# Altium PCB minnnnnnnn.PcbDoc (continued)
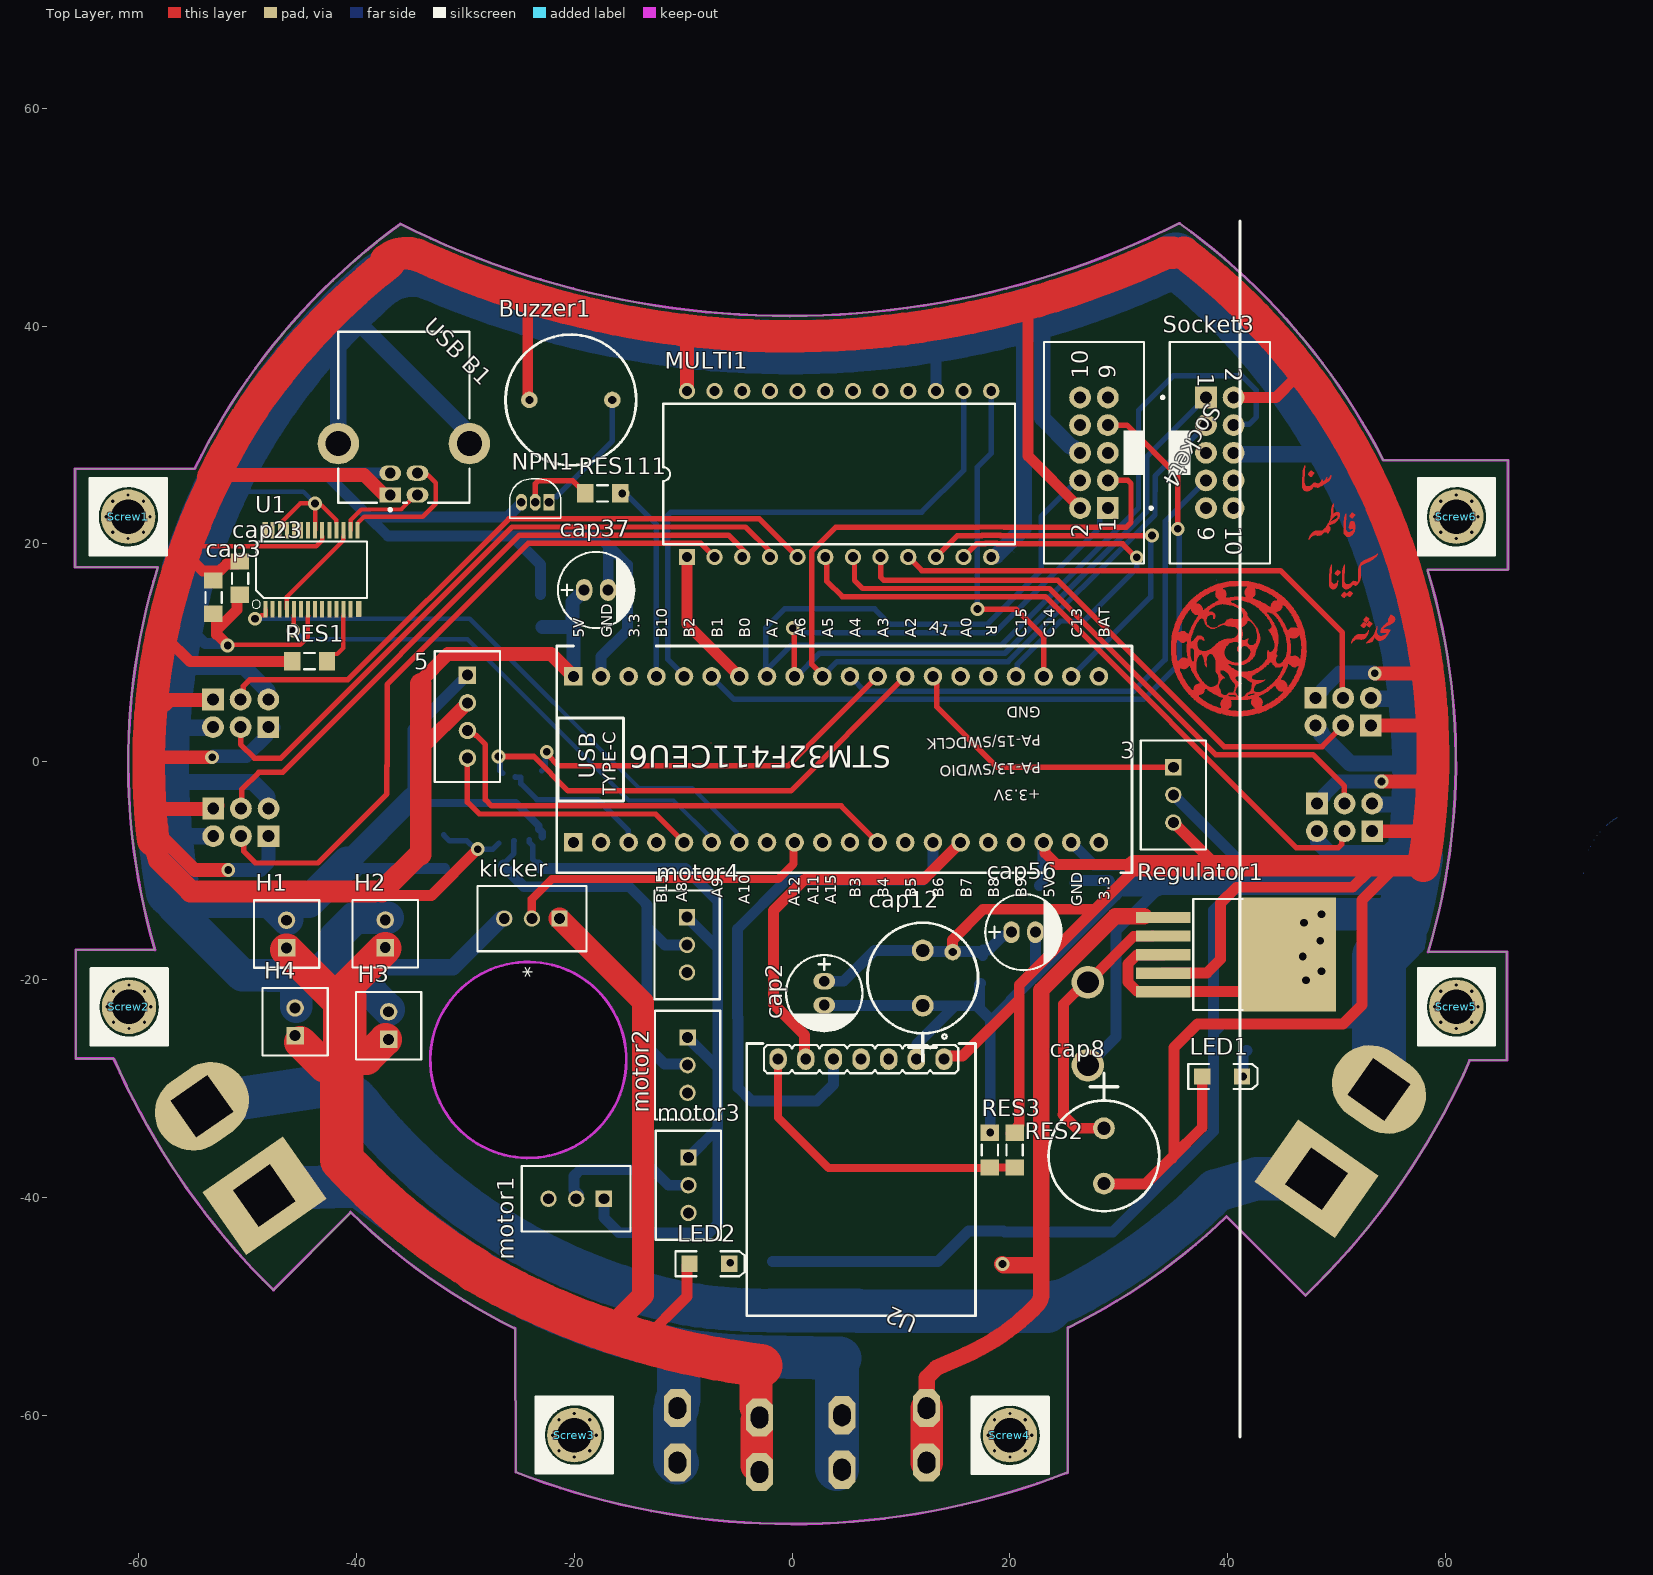
[diagram p0: Top Layer view]
## Footprints (in the part's own frame and the unit in brackets; to place one, negate y for a bottom-side part, rotate by r counter-clockwise, add the part's x,y. Pads: shape width x height; smd on the part's side, far side on the other; paste and mask are expansions set on the pad) (continued)
Screw [mm]
  round 0.6 hole 0.3: S(-2,0) S(-1.414,-1.414) S(-1.414,1.414) S(0,-2) S(0,2) S(1.414,-1.414) S(1.414,1.414) S(2,0)
  round 5 hole 3.15 mask+0.1: S(0,0)
  silkscreen extent -3.49,-3.53 3.56,3.52, body extent -2.8,-2.8 2.8,2.8, height 3.88
SOIC8 [mm]
  rect 1.524x0.7 smd: 1(-2.624,1.733) 2(-2.624,0.463) 3(-2.624,-0.807) 4(-2.624,-2.077) 5(2.856,-2.077) 6(2.856,-0.807) 7(2.856,0.463) 8(2.856,1.733)
  silkscreen extent -2.93,-2.71 3.16,2.37, body extent -2.88,-2.62 3.12,2.28, height 1.75
SSOP28-0.65-10.2X5.2MM [mm]
  rect 0.365x1.5 smd: 1(-4.225,-3.625) 2(-3.575,-3.625) 3(-2.925,-3.625) 4(-2.275,-3.625) 5(-1.625,-3.625) 6(-0.975,-3.625) 7(-0.325,-3.625) 8(0.325,-3.625) 9(0.975,-3.625) 10(1.625,-3.625) 11(2.275,-3.625) 12(2.925,-3.625) 13(3.575,-3.625) 15(4.225,3.625) 16(3.575,3.625) 17(2.925,3.625) 18(2.275,3.625) 19(1.625,3.625) 20(0.975,3.625) 21(0.325,3.625) 22(-0.325,3.625) 23(-0.975,3.625) 24(-1.625,3.625) 25(-2.275,3.625) 26(-2.925,3.625) 27(-3.575,3.625)
  rect 0.5x1.5 smd: 14(4.331,-3.614) 28(-4.269,3.625)
  silkscreen extent -5.46,-3.56 5.1,2.6, body extent -5.09,-3.93 5.11,3.87, height 2
TDAxis12 [mm] "Connector; Header; 7 Position"
  oval 1.6x2 hole 1 mask+0.1: 1(-7.62,-0.075) 2(-5.08,-0.075) 3(-2.54,-0.075) 4(0,-0.075) 5(2.54,-0.075) 6(5.08,-0.075) 7(7.62,-0.075)
  silkscreen extent -10.5,-2.35 10.5,23.5, body extent -10.5,-1.5 10.5,23.5, height 5.34
TO18 [mm]
  rect 1x1.55 hole 0.8: 1(1.27,0)
  oval 1x1.55 hole 0.8: 2(0,0) 3(-1.27,0)
  silkscreen extent -2.35,-1.47 2.35,2.15, body extent -2.35,-1.47 2.41,2.16, height 6.83
USB_B.1 [mm]
  rect 1.4x2 hole 1: 1(-2.355,1.25)
  oval 1.4x2 hole 1: 2(-2.355,-1.25) 3(-0.355,-1.25) 4(-0.355,1.25)
  round 3.8 hole 2.3: 5(2.355,6.02) 6(2.355,-6.02)
  silkscreen extent -3.83,-6.02 12.64,6.02, body extent -3.86,-7.45 12.64,7.45, height 10.95

## Part data
cap1 cap3 cap11 cap23 cap36 cap57 "cap 4": library part "Cap SMD"
cap2 cap37 cap56: library part "Cap 100uF"
cap8 cap12: library part "Cap 1000uF"
LED1 LED2: library part "LED SMD"
NPN1: library part NPN
RES1 RES2 RES3 RES5 RES8 RES9 RES111: library part "Res SMD"
Socket3 Socket4: library part "IDC 2x5"
U1: "USB Bridge, USB to UART USB 2.0 UART Interface 28-SSOP", Package="SSOP-28 FTDI", Check_prices=https://www.snapeda.com/parts/FT232RL/FTDI%252C+Future+Technology+Devices+International+Ltd/view-part/?ref=eda, MF="FTDI, Future", MP=FT232RL, SnapEDA_Link=https://www.snapeda.com/parts/FT232RL/FTDI%252C+Future+Technology+Devices+International+Ltd/view-part/?ref=snap
U2: "Module, 12 Axis IMU, I2C UART Output"
"USB B1": "USB B", LatestRevisionDate=17-Jul-2002, LatestRevisionNote="Re-released for DXP Platform.", Publisher="Altium Limited"
Screw1 Screw2 Screw3 Screw4 Screw5 Screw6: LatestRevisionDate=17-Jul-2002, LatestRevisionNote="Re-released for DXP Platform.", Publisher="Altium Limited"

## Free pads (board coordinates)
  oval 10x1.524 hole 18: 2(-24.181,-27.407)
  round 1.524 hole 0.762: 5(14.732,-17.475)

## Via types
v1: diameter 1.27, hole 0.711, Top Layer to Bottom Layer, 27 vias

## Nets (pads, with @x,y where several pads share a name; then routed paths per layer and width w, separated by ;. In a path a pad name is that pad's centre, name@x,y a point inside that pad or via, vN(x,y) a via of type N, cw(c..) or ccw(c..) an arc to the next point about the centre after c; other vN are vias at no path point)
"2 USB 16 FT": "USB B1.2" U1.16 | length 7.8
  Top Layer w0.4: U1.16 -40.542,21.273 -40.542,22.198 -39.582,23.158 -35.911,23.158 -34.711,24.359 -34.544,24.359
+5: 3.3 5.2 "cap 4.1" "USB B1.1" *.18 *.40 Buzzer1.1 cap1.2 cap2.1 cap3.1 cap8.2 cap12.2 cap23.1 cap36.2 cap37.1 cap56.1 cap57.2 evajedi.8 LED1.1 MULTI1.24 pad.5 Regulator1.4 RES1.2 RES2.2 S1.1 S1.6 S2.1 S2.6 S3.1 S3.6 S4.1 S4.6 Socket3.2 Socket4.2 U1.20 U2.1 | length 649.3
  Top Layer w0.4: -55.632,19.779 -43.712,19.779 -43.142,20.349 U1.20@-43.142,20.701
  Top Layer w1: -57.48,11.379 -55.296,9.195 RES1.2@-45.715,9.195 ; -54.94,18.313 -54.127,17.501 -52.585,17.501 -51.945,18.141 -50.974,18.141 cap23.1 ; -38.379,-12.268 -33.122,-12.268 v1(-28.88,-8.026) ; Buzzer1.1@-24.003,33.096 -24.003,33.238 -24.282,33.517 -24.282,41.351 -23.495,42.139 ; U2.1@13.97,-27.3 13.97,-27.275 14.222,-27.023 15.649,-27.023 20.803,-21.869 ; pad.5@14.681,-17.399 14.707,-17.374 14.707,-16.358 17.519,-13.546 27.806,-13.546 ; RES2.2@20.066,-34.136 20.853,-33.349 20.853,-20.498 27.806,-13.546 ; cap56.1@20.125,-15.949 cap56.1@20.125,-15.799 ; RES2.2@20.447,-34.312 RES2.2@20.447,-34.136 ; 21.641,41.91 21.641,28.092 Socket4.2@26.314,23.419 ; *.18 23.222,-7.54 23.222,-8.363 24.282,-9.423 31.003,-9.423 31.364,-9.062 ; cap8.2@28.829,-38.786 32.436,-38.786 34.836,-36.386 ; 31.801,-9.55 27.806,-13.546 ; Regulator1.4 38.076,-19.404 39.345,-18.135 39.345,-12.969 40.787,-11.526 51.466,-11.526 52.908,-10.084 ; 34.874,-36.424 34.874,-36.347 37.651,-33.57 LED1.1 ; 3.3 38.862,-9.449 ; 35.052,-36.17 35.052,-26.238 37.211,-24.079 50.597,-24.079 52.324,-22.352 52.324,-12.7 55.22,-9.804 ; Socket3.2 44.425,33.452 46.203,35.23
  Top Layer w1.27: -59.131,-4.343 -58.945,-4.343 -53.213,-4.343 S3.1 ; -58.369,0.406 v1(-53.264,0.406) ; -57.633,-7.163 -54.864,-9.931 v1(-51.791,-9.931) ; -57.531,5.258 -57.125,5.664 S4.6@-53.111,5.664 ; -52.828,26.335 -39.294,26.335 -37.524,24.565 -36.977,24.565 -36.912,24.5 ; S3.1@-52.819,-3.95 S3.1@-52.756,-4.013 ; -34.138,7.374 -31.631,9.881 -22.139,9.881 -20.307,8.049 *.40 ; -34.112,1.118 5.2 ; MULTI1.24 -9.661,39.513 ; S1.6 57.709,3.327 57.963,3.581 ; S2.1 57.506,-6.375 ; v1(53.493,8.116) 57.595,8.116 ; v1(54.122,-1.803) 57.734,-1.803
  Top Layer w2: -58.597,-7.446 -58.134,-9.024 -55.245,-11.913 -38.379,-11.913 ; -37.668,-11.913 -34.265,-8.509 -34.112,-8.509 -34.112,1.118 -34.112,7.163 ; 31.445,-9.55 56.998,-9.55
  Top Layer w3: -58.674,-7.184 cw(c0.025,-0.152) -58.892,-5.032 cw(c0.025,-0.152) -58.945,-4.343 cw(c0.025,-0.152) -59.001,3.15 cw(c0.025,-0.152) -58.346,9.222 cw(c0.025,-0.152) -55.632,19.779 cw(c0.025,-0.152) -52.828,26.335 ; -53.144,26.131 cw(c-0.076,0.076) -49.421,32.637 ; -49.401,32.666 cw(c0.657,-2.044) -37.077,45.775 ; -37.275,46.026 cw(c-35.39,43.691) -34.147,46.421 ccw(c-0.272,120.673) 34.268,46.728 34.928,46.728 ; 35.973,46.728 36.792,46.079 ; 36.955,45.95 cw(c0.993,0.624) 47.518,35.021 cw(c0.993,0.624) 57.95,-9.55
  Bottom Layer w0.5: -32.004,-6.706 -31.454,-7.255 -29.859,-7.255 -29.088,-8.026 v1(-28.88,-8.026) -27.483,-8.026 evajedi.8@-26.924,-7.468
  Bottom Layer w1: cap2.1 4.715,-20.152 7.544,-17.323 cap12.2 12.09,-17.424 cap1.2@17.196,-17.424 ; cap1.2 cap1.2@17.296,-17.55 ; cap1.2@17.501,-17.8 17.501,-17.346 17.546,-17.3 18.031,-17.3 19.339,-15.992 19.903,-15.992 20.134,-15.761 cap56.1 ; cap57.2@22.685,-11.375 cap57.2 23.011,-11.049 23.011,-7.57 *.18@23.19,-7.391
  Bottom Layer w1.27: v1@-53.162,0.508 -50.135,0.508 -48.276,2.367 -48.276,2.499 S4.1@-47.625,3.15 ; v1(-51.791,-9.931) -48.826,-9.931 -48.082,-9.187 S3.6 ; cap36.2 -20.395,12.369 ; -20.168,12.268 -20.168,14.664 -19.353,15.479 -19.215,15.479 -19.044,15.65 cap37.1@-19.044,16.109 ; *.40 -20.092,12.268 ; S1.1 48.708,6.518 48.708,6.65 50.262,8.204 v1@53.405,8.204 ; S2.6 48.835,-3.184 48.835,-3.053 50.084,-1.803 v1(54.122,-1.803)
+12: H1.1 H2.1 H3.1 H4.1 kicker.1 LED2.1 P18.1 | length 135.2
  Top Layer w1: -13.77,-53.216 -9.652,-49.098 -9.652,-46.33 LED2.1
  Top Layer w2: kicker.1 -13.691,-22.073 -13.691,-48.997 -16.535,-51.841
  Top Layer w3: H1.1@-46.431,-17.272 -41.58,-22.123 ; H4.1@-45.161,-25.756 -42.977,-27.94 ; -41.139,-20.895 H2.1@-37.363,-17.12 ; -40.589,-27.254 -39.091,-27.254 H3.1@-37.338,-25.502 ; P18.1@-3.327,-59.275 -3.327,-56.029 ; P18.1@-3.251,-64.643 -3.244,-64.636 P18.1@-3.244,-60.465
  Top Layer w4: -41.377,-27.48 -41.377,-36.536 ccw(c0.088,1.425) -29.052,-46.65 ; -41.097,-26.594 -41.097,-21.641 ; -29.096,-46.727 ccw(c5.664,14.033) -13.77,-53.216 ccw(c5.664,14.033) -2.867,-55.446
A: evajedi.6 motor1.1 motor2.1 motor3.1 motor4.1 RES5.2 | length 74.8
  Bottom Layer w0.5: evajedi.6@-24.155,-7.163 -24.155,-7.391 -23.818,-7.728 -23.818,-8.974 RES5.2
  Bottom Layer w1: RES5.2 -23.318,-9.554 -23.068,-9.804 -9.804,-9.804 -6.831,-12.778 -6.831,-16.866 ; motor1.1 -17.297,-41.859 -15.9,-43.256 -7.645,-43.256 -6.831,-42.442 -6.831,-33.653 ; motor4.1 -7.061,-16.866 -6.831,-16.866 ; motor2.1 -7.112,-27.813 -6.833,-27.813 ; motor3.1 -6.831,-33.653 ; -6.831,-33.653 -6.831,-27.813 -6.831,-16.866
A12S2: *.36 MULTI1.14 | length 51.4
  Bottom Layer w0.5: *.36@-10.312,7.849 -10.284,7.877 -10.284,8.267 -11.43,9.412 -11.43,22.618 -11.137,22.911 11.887,22.911 15.739,26.762 MULTI1.14
B: evajedi.7 motor1.2 motor2.2 motor3.2 motor4.2 RES5.1 | length 63.9
  Bottom Layer w0.5: RES5.1 -26.518,-9.374 -25.558,-8.414 -25.558,-7.27 evajedi.7@-25.527,-7.239
  Bottom Layer w1: RES5.1 -26.518,-9.574 -24.611,-11.481 -14.961,-11.481 -13.399,-13.043 ; motor1.2@-19.634,-39.726 -20.041,-39.319 -20.041,-38.051 -19.455,-37.465 -14.326,-37.465 -13.932,-37.071 ; -13.411,-13.056 -13.411,-13.082 -13.335,-13.158 -13.335,-15.164 ; motor4.2 -11.684,-16.815 -13.335,-15.164 ; motor2.2 -9.697,-27.768 -11.729,-27.768 -13.335,-26.162 ; motor3.2 -11.354,-38.887 -13.17,-37.071 -13.932,-37.071 ; -13.932,-37.071 -13.335,-36.474 -13.335,-26.162 ; -13.335,-26.162 -13.335,-15.164
B2S1: *.24 MULTI1.11 | length 33.8
  Top Layer w0.5: MULTI1.11 16.949,20.006 17.715,20.006 17.759,20.05 18.798,20.05 18.842,20.006 30.337,20.006 31.576,18.767 v1(31.648,18.767)
  Bottom Layer w0.5: *.24 20.677,7.964 20.677,8.968 24.631,12.922 26.79,12.922 31.648,17.78 v1(31.648,18.767)
B12S0: *.22 MULTI1.10 | length 36.4
  Top Layer w0.5: MULTI1.10 15.163,20.76 17.403,20.76 17.447,20.804 19.111,20.804 19.155,20.76 33.039,20.76 v1(33.051,20.772)
  Bottom Layer w0.5: *.22@25.857,8.077 25.87,8.077 32.918,15.125 32.918,20.64 v1(33.051,20.772)
"Back 1": MULTI1.4 S4.3 | length 60.4
  Top Layer w0.5: S4.3 -50.648,1.6 -49.378,0.33 -46.939,0.33 -25.711,21.558 -4.286,21.558 MULTI1.4@-2.057,19.329
"Back 2": MULTI1.5 S4.4 | length 59.6
  Top Layer w0.5: S4.4 -50.405,5.957 -50.405,6.948 -49.835,7.518 -40.817,7.518 -26.023,22.312 -3.017,22.312 0.172,19.123 MULTI1.5@0.174,19.123
buzzer: *.37 RES111.1 | length 18.4
  Top Layer w0.508: RES111.1 v1(-15.596,24.638)
  Bottom Layer w0.508: v1@-15.417,24.739 -15.417,24.666 -15.049,24.298 -14.976,24.298 -12.497,21.819 -12.497,20.422 ; *.37 -12.472,20.422
C13S3: *.23 MULTI1.13 | length 31.3
  Top Layer w0.5: v1(17.018,14.015) 20.554,14.015 23.088,11.482 *.23
  Bottom Layer w0.5: v1(17.018,14.015) 16.993,14.041 16.993,27.026 18.279,28.312 MULTI1.13
"Front 1": MULTI1.6 S2.3 | length 61
  Top Layer w0.5: MULTI1.6@3.039,18.678 3.188,18.529 3.188,16.573 4.607,15.154 23.25,15.154 46.284,-7.879 50.167,-7.879 50.46,-7.587 50.46,-6.639 S2.3
"Front 2": MULTI1.7 S2.4 | length 56.5
  Top Layer w0.5: MULTI1.7@5.664,18.771 5.724,18.711 5.724,16.654 6.469,15.908 23.614,15.908 38.879,0.643 47.82,0.643 50.712,-2.249 S2.4@50.712,-3.835
GND: 2.2 3.2 5.1 "cap 4.2" "USB B1.4" "USB B1.5" "USB B1.6" *.19 *.39 cap1.1 cap2.2 cap3.2 cap11.1 cap12.1 cap23.2 cap36.1 cap37.2 cap56.2 cap57.1 Diode1.1 evajedi.5 H1.2 H2.2 H3.2 H4.2 kicker.3 MULTI1.12 MULTI1.15 NPN1.3 Regulator1.3 Regulator1.5 Regulator1.6 RES3.1 RES8.2 RES9.2 S1.2 S1.5 S2.2 S2.5 S3.2 S3.5 S4.2 S4.5 Socket3.6 Socket4.6 U1.7 U1.18 U1.21 U1.25 U1.26 U2.2 | length 841.5
  Top Layer w0.4: v1@-51.841,10.744 -45.161,10.744 -44.469,11.436 -44.469,13.366 U1.7@-44.45,13.386 ; U1.26@-47.004,21.884 -45.164,23.724 v1(-43.815,23.724) ; U1.26@-46.965,21.844 -46.93,21.81 -46.423,21.81 -46.406,21.792 U1.25 ; U1.21 -43.81,21.264 -43.81,23.55 v1@-43.79,23.571 ; v1@-43.649,23.557 -43.229,23.557 -41.869,22.198 -41.869,22.022
  Top Layer w1: cap3.2 -53.107,13.588 -52.857,13.338 -52.857,11.663 ; v1(-51.841,10.668) -51.841,10.741 -52.812,11.712 -52.812,12.118 -50.978,13.953 cap23.2@-50.978,15.342 ; Regulator1.3 34.051,-17.729 31.66,-17.729 30.822,-18.566 30.822,-20.241 31.66,-21.079 34.051,-21.079 Regulator1.5 41.558,-21.104 Regulator1.6@42.189,-20.472
  Bottom Layer w0.4: -51.668,24.181 -51.363,23.876 ; -51.279,24.79 -44.882,24.79 v1(-43.815,23.724)
  Bottom Layer w0.5: RES8.2 RES8.2@38.456,-26.392 ; 38.456,-25.476 39.7,-24.232 52.375,-24.232
  Bottom Layer w0.7: -35.154,-3.581 -34.519,-3.581 -34.315,-3.785 -25.383,-3.785 -23.278,-5.89 -23.278,-6.174 -22.962,-6.49 evajedi.5
  Bottom Layer w1: -55.452,12.391 -53.933,10.871 v1@-51.943,10.871 ; -51.122,26.5 -36.912,26.5 ; -42.621,26.238 -38.862,22.479 ; -40.362,-9.805 -31.902,-9.805 ; -37.18,20.797 -38.862,22.479 ; -37.109,20.726 -17.78,20.726 -16.853,19.799 -15.138,18.085 -15.138,12.065 -17.552,9.651 *.39 ; -34.823,-3.023 -34.823,2.946 5.1 ; -25.629,20.626 -23.114,18.111 cap36.1@-23.114,15.369 ; NPN1.3@-24.917,23.698 -26.137,22.479 -38.862,22.479 ; cap37.2 -16.891,15.791 -16.891,19.761 ; RES9.2@-1.803,-45.898 13.386,-45.898 16.181,-43.103 cap11.1 19.483,-43.18 29.439,-43.18 38.684,-33.934 38.684,-13.64 40.145,-12.179 ; cap2.2 2.972,-22.377 cap12.1@11.938,-22.377 ; U2.2 11.458,-27.252 11.458,-25.906 14.961,-22.403 ; cap12.1 14.961,-22.403 ; MULTI1.15 13.199,38.065 ; 17.17,-22.606 16.967,-22.403 14.961,-22.403 ; 17.196,-22.657 18.301,-23.762 ; 17.196,-22.606 17.196,-20.447 cap1.1@17.297,-20.345 ; v1(18.186,-34.036) 18.186,-23.876 18.301,-23.762 ; 20.053,-21.933 22.403,-19.583 ; 20.091,-21.971 18.301,-23.762 ; cap56.2 22.334,-19.515 22.403,-19.583 ; 22.428,-19.609 22.403,-19.583 ; *.19 27.696,-9.474 39.319,-9.474 40.335,-10.49 ; cap57.1 26.214,-10.897 29.087,-10.897 ; Diode1.1 29.743,-25.273 29.743,-15.519 33.452,-11.811 ; 29.185,-11.074 29.553,-12.041 ; 30.607,-11.379 29.718,-12.268 22.403,-19.583 ; 3.2 41.351,-9.398 50.902,-9.398 51.079,-9.22 ; 51.079,-9.525 57.113,-9.525 ; 57.513,-17.103 57.625,-16.991
  Bottom Layer w1.5: -57.861,-1.854 -49.541,-1.854 -48.178,-3.217 -48.178,-3.918 S3.5@-48.082,-4.013 ; -56.998,-6.553 -56.261,-6.553 ; -56.566,3.023 -56.464,3.124 S4.5@-53.111,3.124 ; -56.261,-6.731 -56.159,-6.833 S3.2 ; -55.931,8.712 -50.368,8.712 -48.203,6.547 -48.203,5.836 S4.2@-48.031,5.664 ; -41.682,29.21 -41.682,39.188 ; -41.351,-18.873 -31.141,-18.873 -26.67,-14.402 kicker.3 ; -40.803,40.067 -39.56,40.067 -30.082,30.588 -30.082,29.65 -29.642,29.21 ; MULTI1.12@18.727,18.905 21.285,21.463 21.285,39.86 ; 22.962,41.393 22.962,31.558 25.611,28.908 25.77,28.908 26.238,28.44 Socket4.6@26.238,28.321 ; Socket3.6 40.634,28.276 40.988,28.276 41.019,28.245 48.48,28.245 ; S1.2 48.057,3.192 48.593,2.656 48.593,2.497 51.255,-0.164 55.74,-0.164 55.956,-0.381 ; S2.5 48.279,-6.471 48.279,-7.346 49.312,-8.379 54.714,-8.379 55.76,-7.333 ; S1.5 53.232,5.772 55.417,5.772 ; S2.2 53.359,-3.931 55.468,-3.931
  Bottom Layer w2: -40.87,-9.297 -34.823,-3.251 ; -40.728,-9.439 -40.362,-9.805 ; 30.607,-11.379 33.452,-11.379 ; 33.452,-11.252 40.157,-11.252 ; 40.335,-11.252 55.702,-11.252 ; 40.335,-11.074 41.25,-11.074
  Bottom Layer w3: -56.883,-12.827 -48.006,-12.827 ; -56.883,-11.278 -56.883,-13.221 -50.495,-19.609 -47.997,-19.609 -47.958,-19.648 -44.905,-19.648 ; H1.2@-46.355,-14.478 -48.006,-12.827 ; H4.2@-45.542,-22.504 -45.542,-20.099 ; -43.667,-20.168 -39.649,-20.168 H3.2@-37.059,-22.758 ; -43.667,-19.609 -42.141,-18.082 ; -41.91,-17.851 -41.91,-16.083 -40.153,-14.326 H2.2@-37.135,-14.326 ; -40.87,-9.297 -44.399,-12.827 -48.006,-12.827 ; 47.828,-19.406 47.828,-14.783 v1(48.616,-13.995) 54.61,-13.995
  Bottom Layer w5: -56.883,-11.823 cw(c7.631,-0.464) -57.861,-1.854 cw(c7.631,-0.464) -57,10.211 cw(c7.631,-0.464) -55.499,17.019 ; -55.392,17.604 cw(c0.5,-0.181) -52.09,25.79 ; -52.258,25.667 cw(c-0.076,0.076) -38.169,43.971 cw(c-34.896,40.191) -32.923,44.785 ccw(c-0.272,120.673) 11.577,38.913 ; 11.132,38.85 ccw(c-0.272,120.673) 22.962,41.393 ccw(c-0.272,120.673) 35.237,46.079 ; 35.329,45.955 cw(c-2.885,-0.934) 52.373,23.671 cw(c-2.885,-0.934) 57.111,-8.636 ; 2.2 53.885,-17.903 54.768,-17.019 55.742,-16.046 ; 56.09,-14.667 ccw(c-13.652,2.241) 57.252,-8.825
  other v1: 47.193,-20.066 48.616,-19.228 46.888,-17.882 48.489,-16.434 46.99,-14.783
"HEADER 3 A1": 3.1 *.27 | length 26.8
  Top Layer w0.508: *.27@13.284,7.798 13.284,5.029 18.821,-0.508 3.1
hello: *.4
IO: *.3 evajedi.2 evajedi.3 | length 13.2
  Bottom Layer w0.508: evajedi.2@-25.451,-1.397 -25.425,-1.422 -24.917,-1.422 -24.917,-2.007 -23.444,-3.48 -17.856,-3.48 -15.062,-6.274 *.3@-15.062,-6.68
kicker: *.9 kicker.2 | length 29.2
  Top Layer w0.762: kicker.2 -23.901,-12.598 -22.072,-10.769 -1.269,-10.769 0.127,-9.373 *.9@0.127,-7.366
"Left 1": MULTI1.9 S1.3 | length 48.8
  Top Layer w0.5: MULTI1.9 11.913,17.542 44.84,17.542 50.521,11.862 50.521,5.944 S1.3
"Left 2": MULTI1.8 S1.4 | length 51.6
  Top Layer w0.5: MULTI1.8 8.119,16.955 8.412,16.662 24.409,16.662 39.675,1.397 48.666,1.397 S1.4
"MISO A6": *.32 Socket3.1 Socket4.1 | length 90.1
  Top Layer w0.508: v1(0.051,12.268) 0.185,12.134 0.185,8.385 0.417,8.153 *.32@0.457,8.153
  Bottom Layer w0.508: v1(0.051,12.268) 0.257,12.268 0.659,11.866 18.622,11.866 28.235,21.479 28.235,22.546 Socket4.1 ; *.32 0.392,7.834 2.519,9.961 19.532,9.961 32.559,22.988 32.559,25.197 32.563,25.201 32.563,28.016 Socket3.1
"MOSI PIXY": *.33 Socket3.4 Socket4.4 | length 109.2
  Bottom Layer w0.5: *.33@-2.413,8.457 -2.413,12.319 -0.686,14.046 7.564,14.046 8.986,12.624 17.907,12.624 22.86,17.577 22.86,22.504 25.933,25.578 Socket4.4@26.035,25.578 ; *.33 -2.312,8.457 -0.051,10.719 19.218,10.719 31.801,23.302 31.801,32.258 35.001,35.458 41.275,35.458 42.621,34.112 42.621,31.674 41.936,30.989 40.615,30.989 Socket3.4
"MULTI OUT": *.34 MULTI1.1 | length 13.1
  Top Layer w1: MULTI1.1 -9.661,12.643 *.34 *.34@-4.851,7.696
Net1_1: 1.1 P1.1 P3.1 | length 76.4
  Bottom Layer w4: 1.1@-47.78,-39.326 -44.871,-39.12 -40.649,-38.972 cw(c-40.566,-41.352) -40.271,-38.989 -39.603,-39.072 -32.468,-44.313 ccw(c0.171,0.146) -10.598,-53.946 -10.58,-53.95 ccw(c-9.753,-49.777) -10.435,-53.976 ; P3.1@-10.634,-58.767 -10.435,-58.568 -10.435,-53.979 -10.435,-53.976 ; P3.1@-10.541,-64.36 -10.777,-64.124 -10.777,-59.596 P3.1@-10.541,-59.36 ; P1.1@4.115,-64.948 4.115,-55.01 4.343,-54.781 -3.013,-54.645 cw(c-2.043,-2.393) -10.415,-53.979 -10.435,-53.976
Net1_2: 1.2 2.1 | length 112
  Bottom Layer w4: 1.2@-53.515,-31.134 -52.694,-31.188 -52.512,-31.188 -43.734,-29.853 cw(c-43.095,-34.059) -39.752,-31.427 ccw(c0.171,0.146) -9.827,-49.762 ccw(c-2.042,-2.391) -2.042,-50.397 ; -1.93,-50.394 5.971,-50.394 6.047,-50.47 21.812,-50.47 23.435,-50.47 24.312,-49.592 ccw(c23.712,-45.638) 25.565,-49.183 ccw(c-0.186,-0.053) 38.187,-40.107 38.904,-39.389 42.659,-38.289 2.1
NetBuzzer1_2: Buzzer1.2 NPN1.1 | length 11.9
  Bottom Layer w0.5: NPN1.1 -22.327,24.1 -22.077,24.35 -21.624,24.35 -16.51,29.464 -16.51,32.969 Buzzer1.2@-16.459,33.02
Netcap8_1: cap8.1 Diode1.2 Regulator1.2 | length 25.5
  Top Layer w1: cap8.1@28.829,-33.579 28.753,-33.655 cap8.1 26.111,-33.655 24.867,-32.41 24.899,-32.378 24.899,-22.269 26.924,-20.244 Diode1.2 31.368,-16.029 33.069,-16.029 Regulator1.2@33.096,-16.002
Netcap11_2: cap11.2 P2.1 Regulator1.1 | length 63.5
  Top Layer w1.5: P2.1@12.344,-57.912 12.344,-56.839 12.344,-56.564 13.223,-55.686 15.969,-54.463 ccw(c7.642,-35.77) 22.475,-49.868 ccw(c21.385,-48.837) 22.885,-48.837 22.885,-46.228 ; v1(19.304,-46.126) 19.406,-46.228 22.885,-46.228 ; Regulator1.1@32.326,-14.199 29.657,-14.199 22.885,-20.97 22.885,-41.275 22.885,-46.228
  Top Layer w3: P2.1@12.344,-64.36 P2.1@12.344,-59.36
NetLED1_2: LED1.2 RES8.1 | length 2.6
  Bottom Layer w1: v1(41.402,-28.905) 41.402,-26.873 41.406,-26.869 41.406,-26.842 41.73,-26.518 RES8.1@41.758,-26.518
NetLED2_2: LED2.2 RES9.1
  other v1: -5.69,-45.999
NetNPN1_2: NPN1.2 RES111.2 | length 6.9
  Top Layer w0.508: NPN1.2 -23.597,25.509 -23.299,25.806 -20.167,25.806 -19.595,25.234 -19.495,25.234 -18.999,24.738 RES111.2
NetRES1_1: RES1.1 U1.12 | length 5.3
  Top Layer w0.4: RES1.1 -42.585,9.383 -42.28,9.383 -42.28,9.788 -42.173,9.896 -41.768,9.896 -41.219,10.444 U1.12@-41.219,13.46 ; RES1.1@-42.38,9.856 RES1.1@-42.38,9.867
NetRES2_1: RES2.1 RES3.2 U2.7 | length 28.7
  Top Layer w0.762: U2.7 -1.295,-27.505 -1.295,-32.69 3.327,-37.313 18.009,-37.313 18.06,-37.262 20.015,-37.262 RES2.1@20.066,-37.313
NetU1_4: U1.4 U1.17 | length 8.8
  Top Layer w0.4: U1.4 -46.406,15.135 -41.219,20.322 U1.17@-41.219,20.701
NetU1_15: "USB B1.3" U1.15 | length 11.8
  Top Layer w0.4: U1.15@-39.853,21.946 -39.853,21.963 -39.311,22.504 -33.934,22.504 -32.741,23.698 -32.741,25.629 -33.421,26.309 -34.22,26.309 -34.412,26.5
"Right 1": MULTI1.2 S3.4 | length 63.7
  Top Layer w0.5: S3.4 -50.358,-7.096 -50.358,-8.242 -49.304,-9.296 -43.561,-9.296 -37.211,-2.946 -37.211,-0.381 ; -37.204,-0.381 -37.204,7.096 -24.249,20.05 -8.375,20.05 MULTI1.2
"Right 2": MULTI1.3 S3.3 | length 58.6
  Top Layer w0.5: S3.3 -50.549,-4.219 -50.549,-2.543 -48.971,-0.965 -46.787,-0.965 -25.018,20.804 -5.869,20.804 MULTI1.3@-4.115,19.05
"RX A10 FT232": *.7 U1.1 | length 55
  Top Layer w0.4: v1(-49.327,13.132) -49.091,13.132 -48.763,13.46 -48.373,13.46 -48.356,13.477 U1.1
  Bottom Layer w0.4: v1(-49.327,13.132) -29.616,13.132 -14.072,-2.413 -9.169,-2.413 -5.101,-6.481 -5.101,-7.283 *.7@-4.978,-7.406
RXm: *.28 evajedi.1 | length 45.1
  Top Layer w0.508: v1(-26.975,0.483) -23.724,0.483 -20.574,-2.667 -0.114,-2.667 10.287,7.734 *.28@10.287,7.849
  Bottom Layer w0.508: v1(-26.975,0.483) -26.829,0.337 -26.829,-0.806 evajedi.1@-26.594,-1.041 ; *.28@10.097,7.544 *.28@10.49,7.544
"SCK A5": *.31 Socket3.3 Socket4.3 | length 95.1
  Top Layer w0.5: *.31 2.768,7.977 1.785,8.959 1.785,19.315 3.983,21.514 17.091,21.514 17.135,21.558 19.423,21.558 19.467,21.514 30.658,21.514 31.115,21.971 31.115,25.539 30.822,25.832 Socket4.3
  Bottom Layer w0.5: *.31 4.122,9.188 19.832,9.188 33.317,22.674 33.317,24.879 33.321,24.883 33.321,26.234 Socket3.3
"SCL HEAD4 A8": 5.4 *.5 | length 25.1
  Top Layer w0.5: 5.4 -29.82,-3.708 -28.727,-4.801 -12.537,-4.801 -10.201,-7.137 *.5@-10.16,-7.137
"SCL TD 12": *.14 U2.5 | length 49.3
  Bottom Layer w1: -5.004,-23.495 -5.004,-15.342 -0.533,-10.871 12.014,-10.871 12.928,-9.958 12.928,-7.729 12.935,-7.722 *.14@13.005,-7.722 ; -4.958,-23.495 -4.958,-29.942 -3.734,-31.166 2.261,-31.166 3.785,-29.642 U2.5
"SDA HEAD4 B4": 5.3 *.12 | length 44.9
  Top Layer w0.5: 5.3 -29.522,2.87 -29.104,2.452 -29.046,2.452 -28.169,1.575 -28.169,-3.48 -27.602,-4.047 4.489,-4.047 7.706,-7.264 *.12@7.925,-7.264
"SDA TD 12": *.15 U2.6 | length 34.9
  Top Layer w1: U2.6@1.194,-27.584 1.13,-27.52 1.13,-25.107 -1.727,-22.25 -1.727,-13.665 1.136,-10.802 12.071,-10.802 *.15
"SS 9 A4": *.35 Socket4.7 | length 70.7
  Top Layer w0.508: Socket4.7 30.734,30.912 35.408,26.238 v1(35.408,21.387)
  Bottom Layer w0.508: *.35@-7.315,7.696 -5.341,5.722 32.265,5.722 35.551,9.008 35.551,21.244 v1(35.408,21.387)
"SS 9 B1": *.30 Socket3.7 | length 48.6
  Bottom Layer w0.5: *.30@5.309,7.671 5.471,7.671 6.662,6.48 31.347,6.48 34.239,9.373 34.239,22.073 Socket3.7
"TX A9 FT232": *.6 U1.5 | length 48.1
  Top Layer w0.4: v1(-45.822,12.04) -45.769,12.092 U1.5@-45.769,13.46
  Bottom Layer w0.4: v1(-45.822,12.04) -45.65,12.04 -44.862,11.252 -29.82,11.252 -15.011,-3.556 -10.897,-3.556 -7.392,-7.06 *.6
TXm: *.29 evajedi.4 | length 36.3
  Top Layer w0.508: v1(-22.534,0.91) -22.534,0.704 -21.45,-0.381 -0.368,-0.381 7.608,7.595 *.29@7.874,7.595
  Bottom Layer w0.508: evajedi.4@-22.987,-0.813 -22.661,-0.487 -22.661,0.783 v1(-22.534,0.91)
pads on no net: *.1 *.2 *.8 *.10 *.11 *.13 *.16 *.17 *.20 *.21 *.25 *.26 *.38 motor1.3 motor2.3 motor3.3 motor4.3 MULTI1.16 MULTI1.17 MULTI1.18 MULTI1.19 MULTI1.20 MULTI1.21 MULTI1.22 MULTI1.23 Screw1.S Screw2.S Screw3.S Screw4.S Screw5.S Screw6.S Socket3.5 Socket3.8 Socket3.9 Socket3.10 Socket4.5 Socket4.8 Socket4.9 Socket4.10 U1.2 U1.3 U1.6 U1.8 U1.9 U1.10 U1.11 U1.13 U1.14 U1.19 U1.22 U1.23 U1.24 U1.27 U1.28 U2.3 U2.4

## Keep-outs
Keep-Out Layer:
  lines w0.254: -65.888,26.899 -54.966,26.899 ; -65.862,26.848 -65.862,17.856 -58.293,17.856 ; -65.786,-27.263 -65.786,-17.263 ; -65.786,-17.272 -58.522,-17.272 ; -65.761,-27.254 -62.332,-27.254 ; -62.277,-27.306 ccw(c0,0) -47.637,-48.526 ; -58.519,-17.287 cw(c0.025,-0.152) -58.264,17.83 ; -54.843,26.939 cw(c-0.076,0.076) -36.007,49.371 ; -47.65,-48.514 -40.589,-41.453 ; -40.566,-41.352 ccw(c0.025,0) -25.519,-52.011 ; -35.997,49.392 ccw(c-0.272,120.673) 35.533,49.431 ; -25.425,-52.049 -25.375,-65.227 ; -25.37,-65.241 ccw(c0,0) 25.203,-65.306 ; -15.256,-28.04 cw(c-24.232,-27.381) -15.255,-28.025 ; 25.298,-65.278 25.298,-51.973 ; 25.347,-51.963 ccw(c-0.186,-0.053) 39.892,-41.771 ; 35.593,49.419 cw(c-0.025,-0.102) 54.276,27.689 ; 39.891,-41.77 47.142,-49.022 ; 47.216,-48.935 ccw(c0,0) 62.23,-27.413 ; 54.331,27.686 65.735,27.686 65.735,17.653 ; 58.369,17.628 65.684,17.628 ; 58.372,17.517 cw(c-0.051,-0.025) 58.409,-17.446 ; 58.394,-17.468 65.658,-17.451 ; 62.205,-27.407 65.634,-27.407 65.634,-17.45

## Other copper
Top Layer:
  drawing of 15 lines, arcs and shapes, not listed
Bottom Layer:
  region: 38.986,16.672 38.947,16.672 38.947,16.71 38.986,16.71
  region: 75.662,-5.193 75.662,-5.156 75.699,-5.156 75.699,-5.193
  region: 73.244,-7.868 73.244,-7.831 73.28,-7.831 73.28,-7.868
  region: 73.61,-7.172 73.647,-7.172 73.647,-7.208 73.61,-7.208
  region: 75.332,-5.45 75.296,-5.45 75.296,-5.413 75.332,-5.413 75.332,-5.376 75.369,-5.376 75.369,-5.413 75.332,-5.413
  region: 73.061,-8.381 73.061,-8.418 73.024,-8.418 73.024,-8.381
  region: 74.893,-5.779 74.856,-5.779 74.856,-5.743 74.893,-5.743
  region: 75.406,-5.303 75.479,-5.303 75.479,-5.34 75.406,-5.34 75.406,-5.376 75.369,-5.376 75.369,-5.34 75.406,-5.34
  region: 73.317,-7.758 73.317,-7.795 73.28,-7.795 73.28,-7.758
  region: 75.222,-5.523 75.186,-5.523 75.186,-5.486 75.222,-5.486 75.222,-5.45 75.259,-5.45 75.259,-5.486 75.222,-5.486
  region: 74.929,-5.743 74.893,-5.743 74.893,-5.706 74.929,-5.706
  region: 74.783,-5.853 74.783,-5.889 74.746,-5.889 74.746,-5.853
  region: 75.112,-5.559 75.112,-5.596 75.076,-5.596 75.076,-5.559
  region: 73.17,-8.014 73.207,-8.014 73.207,-8.051 73.17,-8.051
  region: 72.657,-10.286 72.657,-10.213 72.694,-10.213 72.694,-10.286
  region: 74.233,-6.402 74.233,-6.366 74.27,-6.366 74.27,-6.402
  region: 75.662,-5.193 75.662,-5.23 75.589,-5.23 75.589,-5.193 75.625,-5.193
  region: 75.552,-5.23 75.589,-5.23 75.589,-5.266 75.552,-5.266 75.552,-5.303 75.516,-5.303 75.516,-5.266 75.552,-5.266
  region: 73.17,-8.124 73.134,-8.124 73.134,-8.088 73.17,-8.088
  region: 74.819,-5.779 74.856,-5.779 74.856,-5.816 74.819,-5.816 74.819,-5.853 74.783,-5.853 74.783,-5.816 74.819,-5.816
  region: 75.735,-5.156 75.735,-5.12 75.772,-5.12 75.772,-5.156
  region: 74.196,-6.476 74.16,-6.476 74.16,-6.439 74.196,-6.439
  region: 73.903,-6.769 73.94,-6.769 73.94,-6.805 73.903,-6.805
  region: 75.039,-5.669 75.003,-5.669 75.003,-5.633 75.039,-5.633 75.039,-5.596 75.076,-5.596 75.076,-5.633 75.039,-5.633

## Silkscreen, mask and mechanical layers (free items; w line width, h text height)
Top Overlay:
  lines w0.254: 41.118,-62.001 41.118,49.644
Top Solder:
  drawing of 14 lines, arcs and shapes, not listed

## Text inside footprints (layer, text, board x,y; h text height)
*: Top Overlay "3.3" at 29.176,-12.74 h1 r90; Top Overlay "BAT" at 29.176,11.39 h1 r90; Top Overlay "C13" at 26.636,11.39 h1 r90; Top Overlay "C14" at 24.096,11.39 h1 r90; Top Overlay "C15" at 21.556,11.39 h1 r90; Top Overlay "A0" at 16.476,11.39 h1 r90; Top Overlay "A1" at 12.551,12.115 h1 r339; Top Overlay "A2" at 11.396,11.39 h1 r90; Top Overlay "A3" at 8.856,11.39 h1 r90; Top Overlay "A4" at 6.316,11.39 h1 r90; Top Overlay "A5" at 3.776,11.39 h1 r90; Top Overlay "A6" at 1.236,11.39 h1 r90; Top Overlay "A7" at -1.304,11.39 h1 r90; Top Overlay "R" at 17.827,12.537 h1 r270; Top Overlay "B0" at -3.844,11.39 h1 r90; Top Overlay "B1" at -6.384,11.39 h1 r90; Top Overlay "B2" at -8.924,11.39 h1 r90; Top Overlay "B10" at -11.464,11.39 h1 r90; Top Overlay "3.3" at -14.004,11.39 h1 r90; Top Overlay "GND" at -16.544,11.39 h1 r90; Top Overlay "5V" at -19.084,11.39 h1 r90; Top Overlay "GND" at 26.636,-13.248 h1 r90; Top Overlay "5V" at 24.096,-12.486 h1 r90; Top Overlay "B9" at 21.556,-12.486 h1 r90; Top Overlay "B8" at 19.016,-12.486 h1 r90; Top Overlay "B7" at 16.476,-12.486 h1 r90; Top Overlay "B6" at 13.936,-12.486 h1 r90; Top Overlay "B5" at 11.396,-12.486 h1 r90; Top Overlay "B4" at 8.856,-12.486 h1 r90; Top Overlay "B3" at 6.316,-12.486 h1 r90; Top Overlay "A15" at 4.041,-13.073 h1 r90; Top Overlay "A12" at 0.713,-13.276 h1 r90; Top Overlay "A11" at 2.441,-13.149 h1 r90; Top Overlay "A10" at -3.884,-13.073 h1 r90; Top Overlay "A9" at -6.384,-12.486 h1 r90; Top Overlay "B15" at -11.464,-12.994 h1 r90; Top Overlay "STM32F411CEU6" at 9.118,1.484 h2.03 r180; Top Overlay "USB" at -18.072,-1.564 h1.5 r90; Top Overlay "+3.3V" at 22.834,-2.588 h1 r180; Top Overlay "PA-13/SWDIO" at 22.816,-0.048 h1 r182; Top Overlay "PA-15/SWDCLK" at 22.816,2.492 h1 r182; Top Overlay "GND" at 22.834,5.032 h1 r180; Top Overlay "TYPE-C" at -16.19,-3.088 h1.2 r90; Top Overlay "A8" at -9.624,-12.921 h1 r90
S1: Bottom Overlay "1" at 46.025,6.375 h1.27 r180; Bottom Overlay "2" at 45.517,3.835 h1.27 r180; Bottom Overlay "5" at 54.661,6.375 h1.27 r180; Bottom Overlay "6" at 54.661,3.835 h1.27 r180
S2: Bottom Overlay "1" at 55.296,-6.883 h1.27; Bottom Overlay "2" at 55.804,-4.343 h1.27; Bottom Overlay "5" at 46.66,-6.883 h1.27; Bottom Overlay "6" at 46.66,-4.343 h1.27
S3: Bottom Overlay "1" at -55.194,-3.785 h1.27 r180; Bottom Overlay "2" at -55.702,-6.325 h1.27 r180; Bottom Overlay "5" at -46.558,-3.785 h1.27 r180; Bottom Overlay "6" at -46.558,-6.325 h1.27 r180
S4: Bottom Overlay "1" at -46.076,2.667 h1.27; Bottom Overlay "2" at -45.568,5.207 h1.27; Bottom Overlay "5" at -54.712,2.667 h1.27; Bottom Overlay "6" at -54.712,5.207 h1.27
Socket3: Top Overlay "1" at 37.248,35.66 h1.5 r270; Top Overlay "10" at 39.788,21.584 h1.5 r270; Top Overlay "9" at 37.248,21.584 h1.5 r270; Top Overlay "2" at 39.788,36.16 h1.5 r270
Socket4: Top Overlay "2" at 27.191,20.584 h1.5 r90; Top Overlay "9" at 29.731,35.16 h1.5 r90; Top Overlay "10" at 27.191,35.16 h1.5 r90; Top Overlay "1" at 29.731,21.084 h1.5 r90